# Altium PCB 6502_CPU_MainBoard_PCB_V1_2_x.PcbDoc (part 4 of 4) (continued)
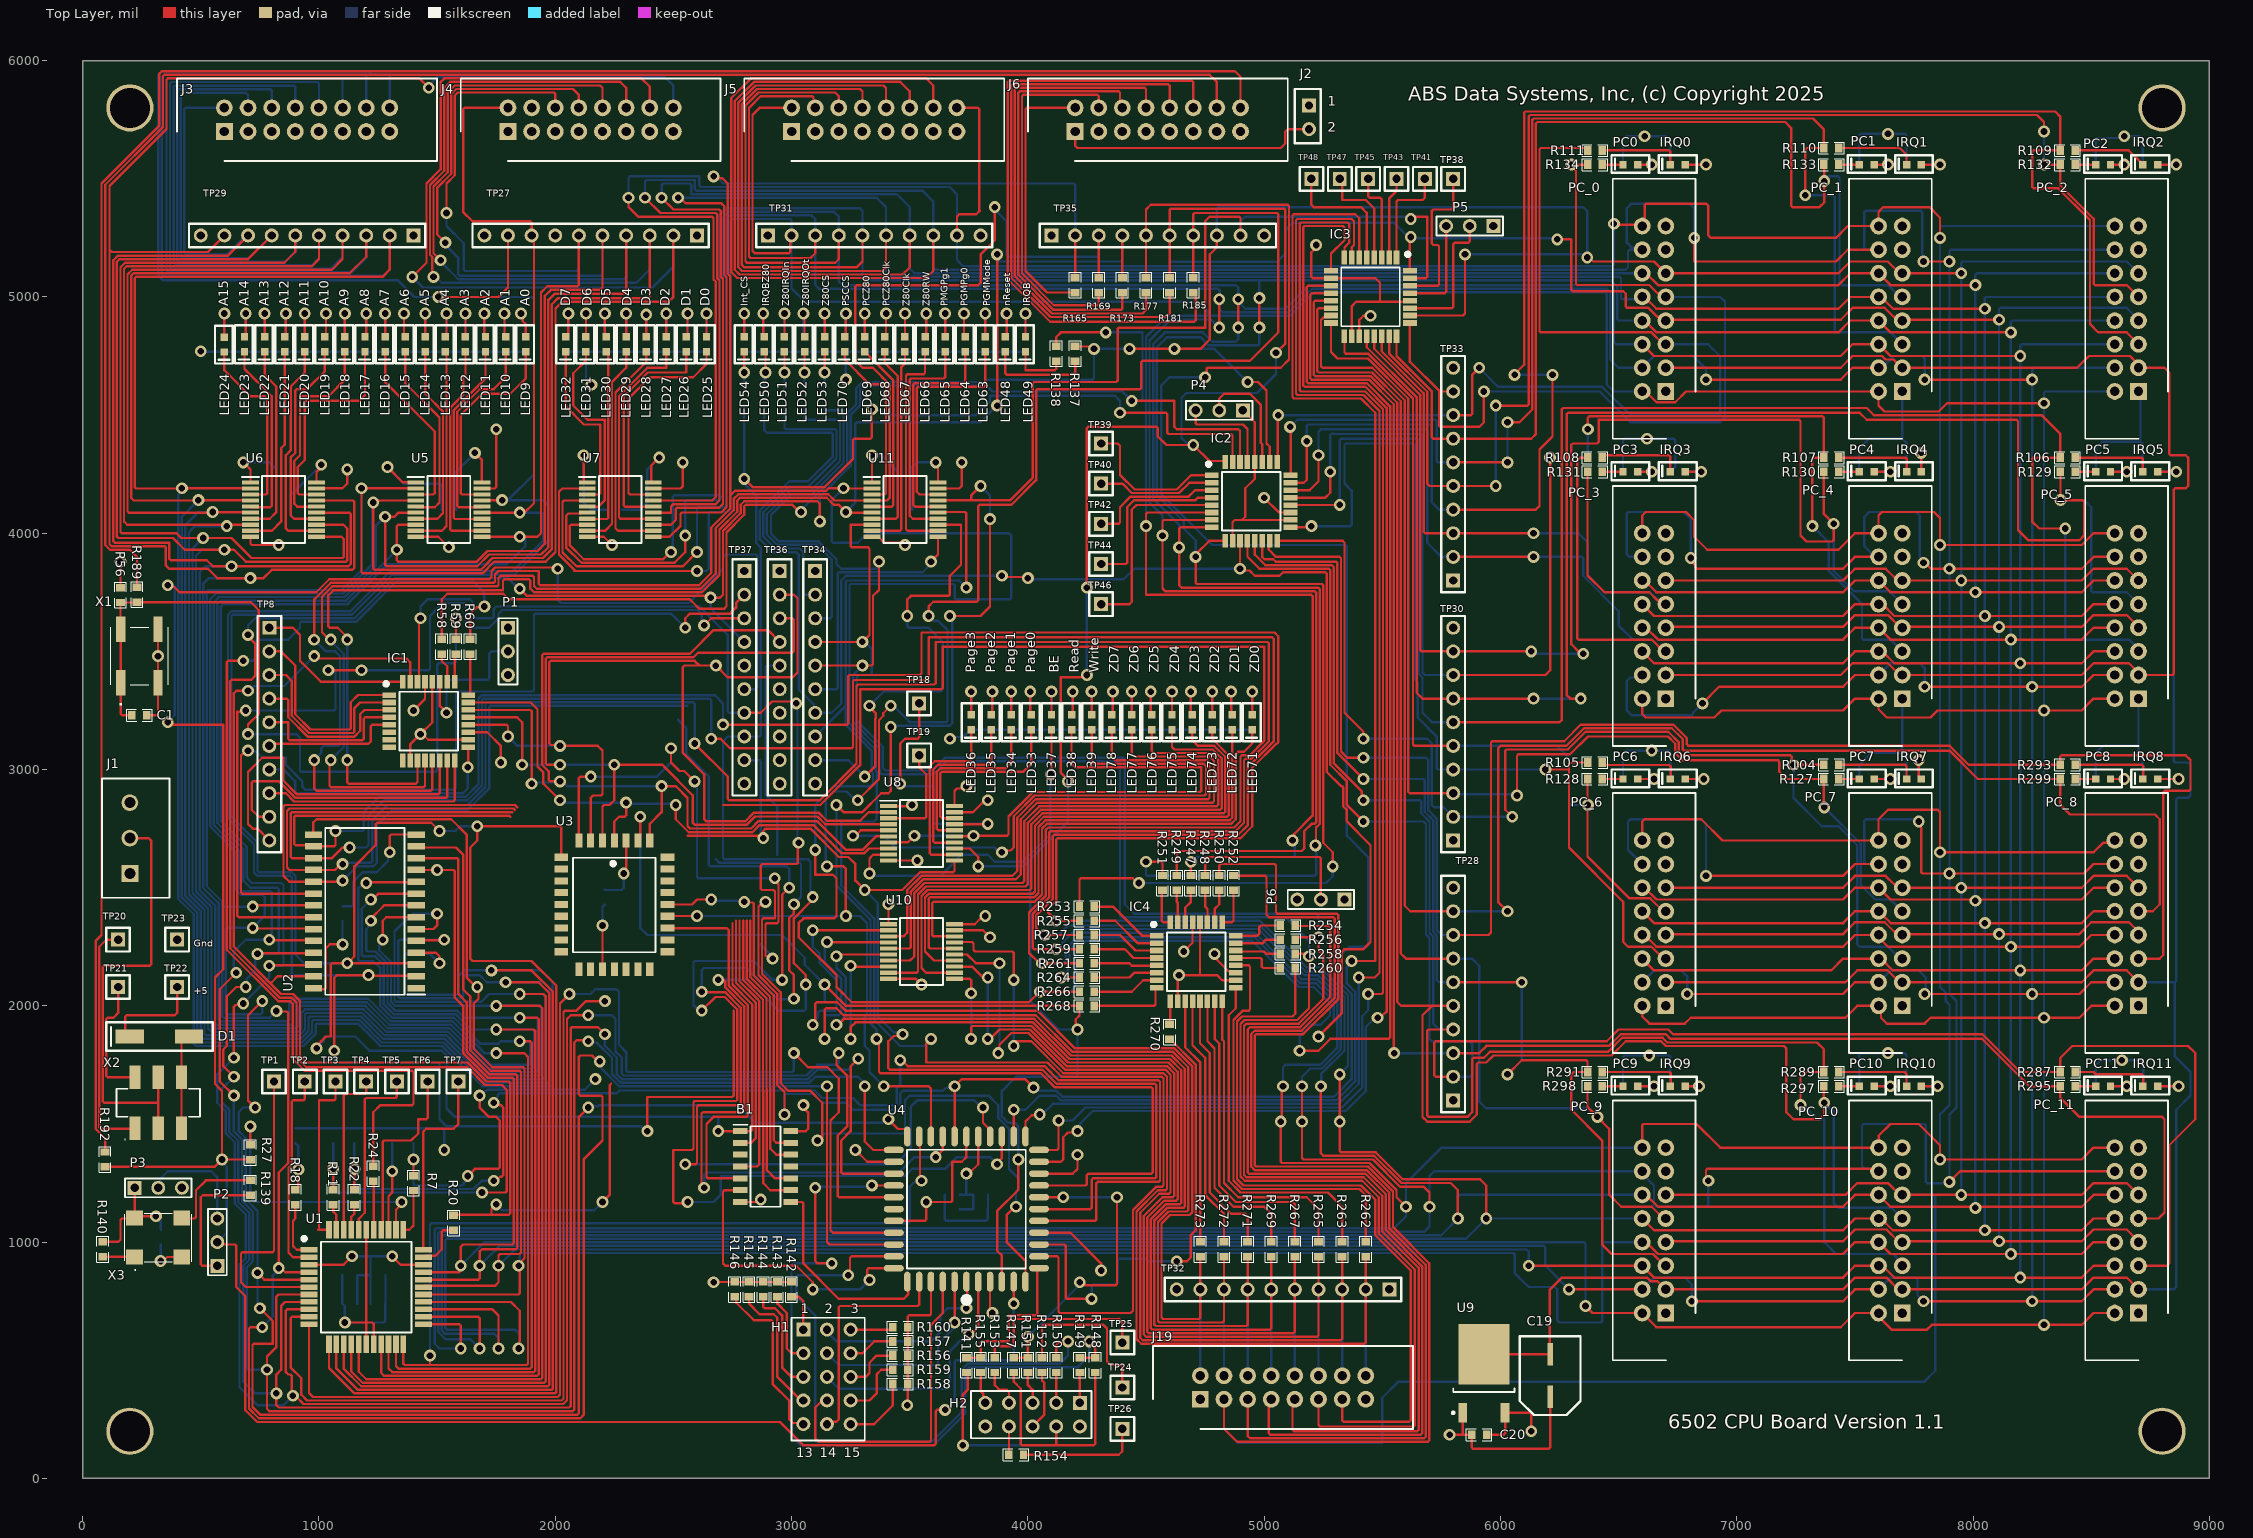
[diagram p0: Top Layer view]
## Nets (pads, with @x,y where several pads share a name; then routed paths per layer and width w, separated by ;. In a path a pad name is that pad's centre, name@x,y a point inside that pad or via, vN(x,y) a via of type N, cw(c..) or ccw(c..) an arc to the next point about the centre after c; other vN are vias at no path point) (continued)
  Bottom Layer w10: v1@1045,3040 v1@1047.5,3042.5 ; v1(1050,3040) 1105,3095 1105,3490 1050,3545 v1(1050,3550) ; v1(3860,5380) 3860,5370 3910,5320 3910,5180 3920,5170 4294.14,5170 4300,5175.86 TP35.3@4300,5260
PGM_Page_1: IC1.11 R173.1 TP35.4 U11.6 | length 6465.5
  Top Layer w10: v1(1120,3040) 1120,2945.86 1125.86,2940 1410,2940 1417.24,2947.24 IC1.11@1417.24,3038.15 ; v1(1120,3550) 1120,3560 1080,3600 1045.86,3600 1040,3605.86 1040,3737.57 1061.21,3758.79 1778.79,3758.79 1778.79,3799.14 1784.64,3805 1889.14,3805 1895,3799.14 1895,3765 1910,3750 2621.21,3750 2695,3823.79 2695,4016.21 2770,4091.21 2770,4138.79 2781.21,4150 3148.79,4150 3177.76,4121.02 3198.98,4121.02 v1(3230,4090) ; v1@3230,4087.2 U11.6@3340.24,4087.2 ; v1(3870,4540) v1(3870,5180) ; R173.1@4400,5081.5 TP35.4@4400,5260
  Bottom Layer w10: v1(1120,3040) v1(1120,3550) ; v1(3230,4090) 3270,4130 3270,4464.14 3275.86,4470 3800,4470 v1(3870,4540) ; v1(3870,5180) 3870,5160 3880,5150 4394.14,5150 4400,5155.86 TP35.4@4400,5260
POW_Reset: C1.2 R56.2 R59.2 R189.1 X1.1 X1.2 | length 3420
  Top Layer w10: C1.2@208.5,3230 167.12,3230 161.26,3235.86 X1.1@161.26,3366.81 X1.2@161.26,3593.19 160,3594.45 R56.2@160,3707.01 228.5,3707.01 R189.1@230,3708.5 711.5,3708.5 745,3675 745,3235 700,3190 v1(700,3150) ; R59.2@1580,3551.5 v1(1580,3640)
  Bottom Layer w10: v1(700,3150) 904.14,3150 920,3134.14 920,2995.86 925.86,2990 1494.14,2990 1500,2995.86 1500,3444.14 1505.86,3450 1574.14,3450 1580,3455.86 v1(1580,3640)
PSC_Cntrl_CS: IC3.31 TP35.9 U4.14 U11.17 | length 9006.9
  Top Layer w10: v1(3190,2850) 3220,2820 3300,2820 3380,2900 3410,2900 3420,2910 v1(3420,3180) ; v1(3360,1860) 3367.65,1852.35 3367.65,1836.49 3370,1834.14 3370,1720.86 3375.86,1715 4055,1715 4115,1655 4523.11,1655 4528.96,1649.14 4528.96,1295.86 4523.11,1290 4255.86,1290 4250,1284.14 4250,1245.86 4244.14,1240 U4.14@4047.2,1240 ; U11.17@3619.76,4138.39 3621.38,4140 3760,4140 ; v1(3670,3650) 3800,3650 3840,3690 v1(3840,4060) ; v1(3800,4200) 3760,4160 3760,4140 ; TP35.9@4900,5260 4900,5334.14 4894.14,5340 4770,5340 4750,5320 4750,4870 4385.86,4870 4380,4864.14 4380,4645.86 4374.14,4640 4025.86,4640 4020,4634.14 4020,4233.94 3926.06,4140 3760,4140 ; IC3.31@5616.85,5078.74 5684.14,5078.74 5690,5084.6 5690,5340 v1@5620,5340
  Bottom Layer w10: v1(3190,2850) 3190,2508.79 3334.39,2364.39 3334.39,1925.61 3360,1900 v1(3360,1860) ; v1(3420,3180) 3425,3185 3669.14,3185 3680,3195.86 3680,3624.14 3677.65,3626.49 3677.65,3642.35 v1(3670,3650) ; v1(3800,4200) 3840,4160 v1(3840,4060) ; TP35.9@4900,5260 4900,5320 4920,5340 v1@5620,5340
  other v1: 5620,5330
PSC_D0: IC3.6 U4.19 | length 6180.6
  Top Layer w10: U4.19@3940,1447.2 v1(3940,1560) ; v1(5370,2190) 5470,2190 5470,4510 5410,4570 5125.86,4570 5120,4575.86 5120,5344.14 5125.86,5350 5385.51,5350 5402.76,5332.76 IC3.6@5402.76,5166.85
  Bottom Layer w10: v1(3940,1560) 3990,1560 4050,1620 4120,1620 4140,1600 5305,1600 5385,1680 5385,2060 5350,2095 5350,2164.14 5370,2184.14 v1(5370,2190)
PSC_D1: IC3.7 U4.18 | length 5987.8
  Top Layer w10: U4.18@3990,1447.2 3990,1510 4016.72,1536.72 4046.72,1536.72 v1(4050,1540) ; IC3.7@5371.26,5166.85 5371.26,5210.89 5380,5219.63 5380,5320 5370,5330 5140.86,5330 5135,5324.14 5135,4590.86 5140.86,4585 5420,4585 5488.18,4516.82 5488.18,2140 5468.18,2120 v1(5400,2120)
  Bottom Layer w10: v1(4050,1540) 4060.39,1540 4105.39,1585 5315,1585 5400,1670 v1(5400,2120)
PSC_D2: IC3.8 U4.17 | length 5942.6
  Top Layer w10: U4.17@4047.2,1390 4124.14,1390 4130,1395.86 v1(4130,1515) ; IC3.8@5339.76,5166.85 5339.76,5209.76 5360,5230 5360,5309.14 5354.14,5315 5155.86,5315 5150,5309.14 5150,4605.86 5155.86,4600 5427.57,4600 5503.18,4524.39 5503.18,2055.86 5497.32,2050 v1(5440,2050)
  Bottom Layer w10: v1(4130,1515) 4188.64,1515 4243.64,1570 5330,1570 5415,1655 5415,1956.21 5440,1981.21 v1(5440,2050)
PSC_D3: IC3.9 U4.16 | length 5962.6
  Top Layer w10: U4.16@4047.2,1340 4140,1340 4150,1350 4150,1444.14 4170,1464.14 4204.14,1464.14 v1(4210,1470) ; IC3.9@5283.15,5110.24 5283.15,5183.15 5340,5240 5340,5294.14 5334.14,5300 5170.86,5300 5165,5294.14 5165,4625.86 5170.86,4620 5428.79,4620 5518.18,4530.61 5518.18,1975.46 5511.11,1968.39 5509.21,1968.39 5490.82,1950 v1(5480,1950)
  Bottom Layer w10: v1(4210,1470) 4217.65,1477.65 4217.65,1497.65 4275,1555 5345,1555 5430,1640 5430,1910 5470,1950 v1(5480,1950)
PSC_UPDI: IC3.27 P5.2 | length 590.1
  Top Layer w10: IC3.27@5616.85,4952.76 5795,4952.76 5800.86,4958.61 5800.86,5224.14 5806.72,5230 5864.14,5230 5870,5235.86 P5.2@5870,5300
RAM_CE#: TP37.2 U2.20 U4.20 | length 9017.1
  Top Layer w10: v1(700,3080) 690,3080 670,3060 670,2480.86 675.86,2475 U2.20@976.67,2475 ; v1(2550,3600) 2550,3640 2570,3660 2740,3660 2765.31,3685.31 2765.31,3705.31 TP37.2@2800,3740 ; v1(2560,1170) 2554.14,1164.14 2505.86,1164.14 2500,1170 2500,1390 2579.14,1390 2585,1395.86 2585,1592.07 2590,1597.07 2764.14,1597.07 2770,1602.93 2770,1985.15 2717.57,2037.57 2677.57,2037.57 v1(2620,1980) ; v1(2960,2110) 2960,2470 v1(2990,2500) ; v1(3870,1330) 3870,1335.86 3890,1355.86 U4.20@3890,1447.2
  Bottom Layer w10: v1(700,3080) 703.28,3076.72 733.28,3076.72 760,3050 860,3050 860,3020 930,2950 930,2925.86 940.86,2915 1574.14,2915 1580,2920.86 1580,3320 1590,3330 1904.14,3330 1910,3335.86 1910,3654.14 1915.86,3660 2490,3660 v1(2550,3600) ; 2520,3210 2555,3175 2555,3065 2650,2970 2650,2595.86 2655.86,2590 2980,2590 2990,2580 v1(2990,2500) ; v1(2560,1170) 2670,1170 2700,1200 2700,1280 3480,1280 3510,1310 3650,1310 3700,1360 3840,1360 v1(3870,1330) ; v1(2620,1980) 2609.18,1980 2589.18,2000 2585.86,2000 2585,2000.86 2585,2184.14 2590.86,2190 2840,2190 2920,2110 v1(2960,2110)
RAM_OE#: TP37.3 U2.22 U4.21 | length 8229.7
  Top Layer w10: v1(690,3250) 684.14,3244.14 655,3244.14 655,2380.86 660.86,2375 U2.22@976.67,2375 ; v1(1040,3420) v1(1180,3420) ; v1(2550,1330) 2594.14,1330 2600,1335.86 2600,1574.14 2605.86,1580 2779.14,1580 2785,1585.86 2785,1991.36 2718.18,2058.18 2621.82,2058.18 v1(2620,2060) ; v1(2630,3610) 2660,3640 TP37.3@2800,3640 ; v1(3010,2030) 3010,2130 2990,2150 2990,2371.21 3008.79,2390 3008.79,2428.79 v1(3010,2430) ; v1(3810,1570) 3810,1505.63 3840,1475.63 U4.21@3840,1447.2
  Bottom Layer w10: v1(690,3250) 1064.14,3250 1070,3255.86 1070,3414.14 1064.14,3420 v1(1040,3420) ; v1(1180,3420) 1464.14,3420 1470,3425.86 1470,3650 1525,3705 1614.14,3705 1620,3699.14 1620,3610 1630,3600 1720,3600 1760,3640 1760,3659.14 1775.86,3675 2603.54,3675 2619.39,3659.14 2619.39,3620.61 v1(2630,3610) ; v1(2550,1330) 3440,1330 3505,1395 3505,1574.14 3530.86,1600 3773.43,1600 3793.65,1579.78 3805.64,1579.78 3810,1584.14 v1(3810,1570) ; v1(2620,2060) 2620,2150 2630,2160 2810,2160 2942.35,2027.65 3007.65,2027.65 v1(3010,2030) ; 2680,2620 2695,2605 3034.14,2605 3040,2599.14 3040,2460 v1(3010,2430)
RDY: R1.1 R22.1 U4.11 | length 5437.3
  Top Layer w10: R22.1@1150,1221.5 v1(1150,1310) ; v1(1740,1260) 1750.82,1260 1767.39,1276.57 1772.93,1276.57 1780,1283.64 1780,1570 1770,1580 1765.86,1580 1763.51,1582.35 1747.65,1582.35 v1(1740,1590) ; v1(3460,1770) 3466.57,1770 3491.57,1745 4070,1745 4130,1685 4553.11,1685 4558.96,1679.14 4558.96,1260.86 4553.11,1255 4295.86,1255 4290,1249.14 4290,1095.86 4284.14,1090 U4.11@4047.2,1090
  Bottom Layer w10: R1.1@1150,1418.5 v1(1150,1310) 1150,1251.36 1176.36,1225 1654.5,1225 1689.5,1260 v1(1740,1260) ; v1(1740,1590) 1740,1600.82 1756.57,1617.39 1756.57,1622.93 1763.64,1630 2260,1630 2272.01,1642.01 3097.99,1642.01 3130,1610 3260,1610 3290,1580 3439.14,1580 3445,1585.86 3445,1654.14 3460,1669.14 v1(3460,1770)
ROM_CE#: R177.1 TP35.5 U3.22 U4.24 | length 9737.1
  Top Layer w10: v1@2904.14,2425.86 2865.86,2425.86 2860,2420 2860,2130 2939.11,2050.89 2939.11,1665.89 2970,1635 v1(2970,1540) ; U4.24@3690,1447.2 v1(3690,1660) 3720,1690 3988.28,1690 v1(4024.14,1654.14) ; R177.1@4500,5081.5 TP35.5@4500,5260 4500,5370 4520,5390 5099.14,5390 5105,5384.14 5105,4735 5070,4700 4760,4700 4757.65,4697.65 4757.65,4667.65 v1(4750,4660)
  Bottom Layer w10: v1(2970,1540) 2970,1621.15 2975.86,1627.01 3091.78,1627.01 3128.79,1590 3230,1590 3260,1560 3454.14,1560 3460,1565.86 3460,1630 3470,1640 3640,1640 3652.35,1652.35 3682.35,1652.35 v1(3690,1660) ; v1@4030,1640 4121.21,1640 4146.21,1615 5295,1615 5370,1690 5370,2051.21 5320,2101.21 5320,2210 5360,2250 5434.14,2250 5440,2255.86 5440,2630 5350,2720 5350,3944.14 5344.14,3950 4780,3950 4564.14,4165.86 4564.14,4624.14 4600,4660 v1(4750,4660)
  other v1: 2890,2440
ROM_OE#: R185.1 TP35.7 U3.24 U4.26 | length 7594.6
  Top Layer w10: U3.24@2475,2379 2476,2380 v1(2600,2380) ; v1(3150,2590) 3220,2590 3230,2580 v1(3230,2380) ; v1(3280,2870) 3370,2960 3370,3208.79 3388.47,3227.25 3388.47,3238.47 v1(3420,3270) ; v1(3390,1660) 3580,1660 3590,1650 U4.26@3590,1447.2 ; v1(3580,3650) 3580,3690 3600,3710 3784.14,3710 3790,3715.86 3790,4114.14 3795.86,4120 3930,4120 4035,4225 4035,4604.14 4040.86,4610 4474.14,4610 4480,4615.86 4480,4724.14 4485.86,4730 4940,4730 5060,4850 5060,5349.14 5054.14,5355 4705.86,5355 4700,5349.14 TP35.7@4700,5260 R185.1@4700,5081.5
  Bottom Layer w10: v1(2600,2380) v1(3230,2380) 3289.39,2380 3319.39,2350 3319.39,1960 3310,1950.61 3310,1830 3330,1810 3330,1720 v1(3390,1660) ; v1(3150,2590) 3145,2595 3145,2873.79 3178.11,2906.89 3233.11,2906.89 3270,2870 v1(3280,2870) ; v1(3420,3270) 3430.82,3270 3500.82,3200 3654.14,3200 3660,3205.86 3660,3590 3620,3630 3600,3630 v1(3580,3650)
RWB: IC1.31 IC2.32 IC3.32 PC_0.7 PC_1.7 PC_2.7 PC_3.7 PC_4.7 PC_5.7 PC_6.7 PC_7.7 PC_8.7 PC_9.7 PC_10.7 PC_11.7 R20.1 R181.1 R268.1 TP35.6 U2.27 U3.31 U4.4 U8.13 | length 30898.1
  Top Layer w10: v1(700,3333.6) 650.86,3333.6 640,3322.74 640,2250 840,2050 890,2050 920,2020 920,1787.43 947.43,1760 1628.79,1760 1708.79,1680 1804.14,1680 1810,1674.14 1810,1122.45 1804.14,1116.59 1730,1116.59 ; 800,2100 825,2125 U2.27@976.67,2125 ; v1(980,3480) 990,3470 1370,3470 1385.75,3454.25 IC1.31@1385.75,3371.85 ; R20.1@1570,1116.59 1730,1116.59 ; v1(1750,1160) 1730,1140 1730,1116.59 ; v1(2200,1170) 2230,1200 2230,1664.14 2235.86,1670 ; U3.31@2350,2700 2360,2710 v1(2360,2800) ; v1(3140,2090) 3230,2000 R268.1@4218.5,2000 4218.5,1959.54 4202.35,1943.39 4202.35,1907.65 v1(4210,1900) ; U8.13@3689.76,2666.02 3753.98,2666.02 3790,2630 v1(3790,2590) ; U4.4@3890,836.4 3890,943.6 3870,963.6 3870,1131.8 3960,1221.8 v1(3960,1350) ; v1(4170,2950) 4170,2955.86 4140,2985.86 4140,3390 4240,3390 v1(4250,3400) ; v1(4250,3770) 4250,4444.14 4255.86,4450 4544.14,4450 4550,4444.14 4550,4410 4586.4,4373.6 v1(4700,4373.6) 4768.15,4305.45 IC2.32@4834.76,4305.45 ; R181.1@4600,5085.1 4600,5367.74 4605.86,5373.6 5084.14,5373.6 5090,5367.74 5090,4803.6 v1(5050,4763.6) ; IC3.32@5616.85,5113.84 5616.85,5250.45 v1(5620,5253.6) ; v1(6240,5243.6) 6297.07,5243.6 6300,5240.67 6300,5029.46 6305.86,5023.6 6520,5023.6 6530,5013.6 6530,4959.46 6535.86,4953.6 6626.4,4953.6 6664.34,4915.66 6667.87,4915.66 6683.53,4900 PC_0.7@6700,4900 ; PC_9.7@6700,1003.6 7450,1003.6 7500,1053.6 7633.53,1053.6 7683.53,1003.6 v1(8110,1003.6) 8460,1003.6 8510,1053.6 8650,1053.6 PC_11.7@8700,1003.6 ; PC_6.7@6700,2303.6 7450,2303.6 7500,2353.6 7626.4,2353.6 7664.34,2315.66 7667.87,2315.66 7679.93,2303.6 v1(8110,2303.6) 8450,2303.6 8500,2353.6 8660,2353.6 8700,2313.6 PC_8.7@8700,2303.6 ; PC_3.7@6700,3603.6 7450,3603.6 7500,3653.6 7640,3653.6 7690,3603.6 v1(8110,3603.6) 8460,3603.6 8510,3653.6 8650,3653.6 PC_5.7@8700,3603.6 ; PC_0.7@6700,4903.6 7440,4903.6 7490,4953.6 7626.4,4953.6 7664.34,4915.66 7667.87,4915.66 7683.53,4900 PC_1.7@7700,4900 ; PC_1.7@7700,4903.6 v1(8110,4903.6)
  Bottom Layer w10: v1(700,3333.6) 705.86,3333.6 725.86,3353.6 853.6,3353.6 v1(980,3480) ; v1(1750,1160) 1775,1135 2165,1135 v1(2200,1170) ; v1(2360,2800) 2360,2330 2390,2300 2960,2300 3056.17,2203.83 3056.17,2173.83 v1(3140,2090) 3140,2020 ; v1(3790,2590) 3980,2590 3998.11,2608.11 ; v1(3960,1350) 3960,1490 3945,1505 3916.21,1505 3890,1531.21 3890,1640 3950,1700 4204.14,1700 4210,1705.86 v1(4210,1900) 4200,1900 4130,1900 4010,2020 4010,2602.25 4004.14,2608.11 3998.11,2608.11 ; v1(4170,2950) 4170,2780 3998.11,2608.11 ; v1(4250,3400) v1(4250,3770) ; TP35.6@4600,5263.6 4600,5154.46 4605.86,5148.6 5055,5148.6 5090,5183.6 5090,5283.6 5120,5313.6 5550,5313.6 5610,5253.6 v1(5620,5253.6) 5625,5248.6 6235,5248.6 v1(6240,5243.6) ; v1(4700,4373.6) 4692.35,4381.26 4672.35,4381.26 4650,4403.6 4650,4573.6 4670,4593.6 4970,4593.6 5050,4673.6 v1(5050,4763.6) ; PC_1.7@7690,4903.6 PC_1.7@7700,4903.6 ; v1(8110,1003.6) v1(8110,2303.6) v1(8110,3603.6) v1(8110,4903.6) 8110,4947.74 8115.86,4953.6 8650,4953.6 PC_2.7@8700,4903.6
RWB_Inverted: LED38.1 U8.7 U8.15 | length 2339.3
  Top Layer w10: U8.7@3410.24,2691.61 3491.61,2691.61 v1(3520,2720) ; U8.15@3689.76,2717.2 3767.2,2717.2 v1(3770,2720) 3912.32,2720 3918.18,2725.86 3918.18,2801.82 4021.36,2905 4728.61,2905 4734.46,2910.86 4734.46,3010 4200,3010 4185,3025 LED38.1@4185,3168.5
  Bottom Layer w10: v1(3520,2720) v1(3770,2720)
System_Clock: P2.2 R27.1 R192.1 TP37.6 U4.5 | length 11927.9
  Top Layer w10: R192.1@95,1318.5 558.5,1318.5 v1(590,1350) ; v1(360,3200) 370,3190 595,3190 595,2155 560,2120 560,1670 590,1640 v1(590,1350) ; v1(360,3780) 367.65,3772.35 387.65,3772.35 410,3750 988.79,3750 1043.79,3805 1720,3805 1730,3815 1730,3840 1745,3855 2005,3855 v1(2010,3850) ; P2.2@570,1000 579.39,990.61 599.77,990.61 600.39,990 644.14,990 650,984.14 650,810 688.79,771.21 688.79,288.79 738.79,238.79 2951.21,238.79 3050,140 3604.14,140 3610,145.86 3610,284.14 3615.86,290 v1(3650,290) ; R27.1@710,1348.5 708.5,1350 v1(590,1350) ; v1(3940,740) 3940,750 U4.5@3940,832.8
  Bottom Layer w10: v1(360,3200) 390,3230 390,3774.14 384.14,3780 v1(360,3780) ; P2.2@570,1000 609.53,1039.53 609.53,1319.65 590,1339.18 v1(590,1350) ; v1(2010,3850) 2010,3720 2025,3705 2565,3705 2710,3850 2710,3900 2720,3910 2849.14,3910 2855,3904.14 2855,3350.86 2844.14,3340 TP37.6@2800,3340 ; v1(3650,290) 3690,330 3690,494.14 3695.86,500 3934.14,500 3940,505.86 v1(3940,740)
TCK: R148.2 R149.1 U4.32 | length 3357.8
  Top Layer w10: v1(3100,1230) 3100,920 3110,910 v1(3170,910) ; v1(3340,1240) U4.32@3432.79,1240 ; R149.1@4220,511.5 R148.2@4285,511.5 4285,555 v1(4260,580)
  Bottom Layer w10: v1(3100,1230) 3105,1235 3335,1235 v1(3340,1240) ; v1(3170,910) 3010,910 3000,900 3000,180 3040,140 3600,140 3735,275 3735,453.79 3751.21,470 4210,470 4260,520 v1(4260,580)
TDI: R141.2 R155.1 U4.7 | length 671.2
  Top Layer w10: R141.2@3740,511.5 R155.1@3800,511.5 3800,574.14 3805.86,580 3914.14,580 3920,585.86 3920,690 4034.14,690 4040,695.86 4040,882.8 U4.7@4047.2,890
TDO: R150.1 U4.38 | length 2711.3
  Top Layer w10: v1(3240,860) 3247.65,867.65 3247.65,934.14 3253.51,940 U4.38@3432.79,940 ; R150.1@4120,511.5 4120,564.14 4130,574.14 4164.14,574.14 v1(4170,580)
  Bottom Layer w10: v1(3240,860) 3025.86,860 3020,854.14 3020,770 3100,690 3100,160.86 3105.86,155 3593.79,155 3720,281.21 3720,460 3745,485 4135,485 4170,520 v1(4170,580)
TMS: R147.2 R151.1 U4.13 | length 1314.2
  Top Layer w10: R147.2@3940,511.5 R151.1@4000,511.5 v1(4000,600) ; U4.13@4047.2,1190 v1(4150,1190) ; v1(4220,830) 4230.82,830 4243.4,817.42 4371.57,817.42 4377.42,823.28 v1@4377.42,1172.58
  Bottom Layer w10: v1(4000,600) 4220,820 v1(4220,830) ; v1(4150,1190) v1(4377.42,1190)
Z80_Clk: TP34.6 U11.11 | length 1119.8
  Top Layer w10: v1(3590,3880) 3619.76,3909.76 U11.11@3619.76,3984.84
  Bottom Layer w10: TP34.6@3100,3340 3189.14,3340 3195,3345.86 3195,3829.14 3200.86,3835 3555,3835 3590,3870 v1(3590,3880)
Z80_CS: J19.11 R258.2 R294.1 TP34.5 | length 8562.5
  Top Layer w10: TP34.5@3100,3440 v1(3300,3440) 3339.14,3440 3345,3445.86 3345,3735.36 3370,3760.36 v1(3370,3880) ; R258.2@5131.5,2220 5180,2220 v1(5190,2210) 5190,1990 5140,1940 4917.07,1940 4900,1922.93 4900,1277.68 4917.68,1260 5415.15,1260 5485,1190.15 5485,1036.21 5637.43,883.79 5637.43,225.86 5631.57,220 5235.86,220 5230,225.86 J19.11@5230,335
  Bottom Layer w10: R294.1@3140,4528.5 3148.5,4520 3220,4520 3220,4298.28 3086.72,4165 3001.21,4165 2913.11,4076.89 2913.11,3998.11 2945.61,3965.61 3114.39,3965.61 3190,3890 3190,3870 3210,3850 3360,3850 3370,3860 v1(3370,3880) ; v1(3300,3440) 3260,3400 3260,3201.21 3370.86,3090.36 3370.86,3001.07 3375,2996.92 3375,2985.86 3380.86,2980 3600,2980 3655,3035 4384.14,3035 4390,3029.14 4390,2380.86 4395.86,2375 5090,2375 5190,2275 v1(5190,2210)
Z80_D0: J19.2 R273.2 TP32.9 U10.2 | length 4601
  Top Layer w10: v1(3090,1920) 3100,1930 3100,2009.14 3105.86,2015 3193.79,2015 3228.79,1980 4040,1980 4200,1820 4620,1820 4695,1745 4695,1125.86 4684.14,1115 4601.07,1115 4565.61,1079.54 4565.61,680.86 4571.46,675 4724.14,675 4730,680.86 TP32.9@4730,800 R273.2@4730,938.5 ; v1(3090,2320) 3090.43,2319.57 U10.2@3410.24,2319.57
  Bottom Layer w10: v1(3090,1920) 3090,1930.82 3111.8,1952.62 3111.8,1970.58 3121.21,1980 3184.14,1980 3190,1985.86 3190,2110 3120,2180 3120,2220 3090,2250 v1(3090,2320) ; J19.2@4730,435 TP32.9@4730,800
Z80_D1: J19.4 R272.2 TP32.8 U10.4 | length 4632.3
  Top Layer w10: v1(3140,1860) 3140,1984.14 3145.86,1990 3190,1990 3220,1960 4033.64,1960 4188.64,1805 4613.79,1805 4678.96,1739.82 4678.96,1135.86 4673.11,1130 4594.85,1130 4550.61,1085.75 4550.61,665.86 4556.46,660 4824.14,660 4830,665.86 TP32.8@4830,800 R272.2@4830,938.5 ; v1@3150,2268.39 U10.4@3410.24,2268.39
  Bottom Layer w10: v1(3140,1860) 3140,1960 3200,1960 3210,1970 3210,2105 3210.86,2105.86 3210.86,2114.14 3140,2185 3140,2260 v1(3150,2270) ; J19.4@4830,435 TP32.8@4830,800
Z80_D2: J19.6 R271.2 TP32.7 U10.6 | length 4346.7
  Top Layer w10: v1(3190,1920) 3196.57,1920 3221.57,1945 4027.43,1945 4182.43,1790 4607.57,1790 4663.96,1733.61 4663.96,1150.86 4658.11,1145 4588.64,1145 4535.61,1091.97 4535.61,650.86 4541.46,645 4924.14,645 4930,650.86 TP32.7@4930,800 R271.2@4930,938.5 ; v1(3190,2210) 3197.2,2217.2 U10.6@3410.24,2217.2
  Bottom Layer w10: v1(3190,1920) 3230,1960 3230,2120 3190,2160 v1(3190,2210) ; J19.6@4930,435 TP32.7@4930,800
Z80_D3: J19.8 R269.2 TP32.6 U10.8 | length 4375.2
  Top Layer w10: v1(3250,1860) 3250,1910 3270,1930 4021.21,1930 4176.21,1775 4601.36,1775 4648.96,1727.4 4648.96,1165.86 4643.11,1160 4582.43,1160 4520.61,1098.18 4520.61,635.86 4526.46,630 5024.14,630 5030,635.86 TP32.6@5030,800 R269.2@5030,938.5 ; v1(3250,2170) 3253.98,2166.02 U10.8@3410.24,2166.02
  Bottom Layer w10: v1(3250,1860) v1(3250,2170) ; J19.8@5030,435 TP32.6@5030,800
Z80_D4: J19.10 R267.2 TP32.5 U10.11 | length 3823.1
  Top Layer w10: U10.11@3689.76,2114.84 3754.14,2114.84 3760,2108.98 v1(3760,2053.6) ; v1(3760,1860) 3760,1909.14 3765.86,1915 4015,1915 4170,1760 4595.15,1760 4633.96,1721.18 4633.96,1180.86 4628.11,1175 4576.21,1175 4505.61,1104.39 4505.61,621.16 4511.77,615 5124.14,615 5130,620.86 TP32.5@5130,800 R267.2@5130,938.5
  Bottom Layer w10: v1(3760,1860) v1(3760,2053.6) ; J19.10@5130,435 TP32.5@5130,800
Z80_D5: J19.12 R265.2 TP32.4 U10.13 | length 3928.5
  Top Layer w10: U10.13@3689.76,2166.02 3763.98,2166.02 3810,2120 v1(3830,2120) ; v1(3830,1860) 3840,1860 3880,1900 4008.79,1900 4163.79,1745 4588.93,1745 4618.96,1714.97 4618.96,1195.86 4613.11,1190 4570,1190 4490.61,1110.61 4490.61,610 4500.61,600 5224.14,600 5230,605.86 TP32.4@5230,800 R265.2@5230,938.5
  Bottom Layer w10: v1(3830,1860) v1(3830,2120) ; J19.12@5230,435 TP32.4@5230,800
Z80_D6: J19.14 R263.2 TP32.3 U10.15 | length 4203
  Top Layer w10: U10.15@3689.76,2217.2 3742.8,2217.2 3780,2180 v1(3880,2180) ; v1@3880,1800 3880,1835 3930,1885 4002.57,1885 4157.57,1730 4582.72,1730 4603.96,1708.76 4603.96,1210.86 4598.11,1205 4556.21,1205 4475.61,1124.39 4475.61,595.61 4486.21,585 5324.14,585 5330,590.86 TP32.3@5330,800 R263.2@5330,938.5
  Bottom Layer w10: v1@3880,1800 v1(3880,2180) ; J19.14@5330,435 TP32.3@5330,800
  other v1: 3875,1800
Z80_D7: J19.16 R262.2 TP32.2 U10.17 | length 4277.7
  Top Layer w10: U10.17@3689.76,2268.39 3691.38,2270 3764.14,2270 3770,2264.14 3770,2235.86 3775.86,2230 3934.14,2230 3940,2224.14 3940,2120 3939.14,2119.14 3939.14,2110.86 v1(3940,2110) ; v1@3940,1840 3950,1850 4015,1850 4150,1715 4573.96,1715 4588.96,1700 4588.96,1225.86 4583.11,1220 4550,1220 4460,1130 4460,590 4480,570 5424.14,570 5430,575.86 TP32.2@5430,800 R262.2@5430,938.5
  Bottom Layer w10: v1@3940,1840 v1(3940,2110) ; J19.16@5430,435 TP32.2@5430,800
  other v1: 3940,1830
Z80_Extra: J19.5 R252.2 | length 4552.7
  Top Layer w10: R252.2@4870,2551.5 4871.5,2550 5004.14,2550 5010,2544.14 5010,2385.86 5020.86,2375 5293.28,2375 5299.14,2369.14 5299.14,2035.5 5158.64,1895 4959.7,1895 4945.05,1880.36 4945.05,1319.64 4959.7,1305 5433.79,1305 5530,1208.79 5530,1057.43 5683.64,903.79 5683.64,175.86 5677.78,170 4940,170 4930,180 J19.5@4930,335
Z80_Extra_1: J19.13 R260.2 | length 3121.4
  Top Layer w10: R260.2@5131.5,2160 5131.5,1966.5 5120,1955 4906.21,1955 4885,1933.79 4885,1267.43 4912.43,1240 5410,1240 5470,1180 5470,1030 5620,880 5620,245.86 5614.14,240 5335.86,240 5330,245.86 J19.13@5330,335
Z80_IRQ: J19.7 R254.2 | length 3956.8
  Top Layer w10: J19.7@5030,335 5020,325 5020,190.86 5025.86,185 5662.78,185 5668.64,190.86 5668.64,897.57 5515,1051.21 5515,1202.57 5427.57,1290 4935.91,1290 4930.05,1295.86 4930.05,1899.14 4940.91,1910 5152.43,1910 5280,2037.57 5280,2330.82 5273.17,2337.65 5133.84,2337.65 R254.2@5131.5,2340
Z80_IRQ_FROM: R290.1 TP34.2 | length 1356.3
  Bottom Layer w10: R290.1@2970,4528.5 2970,4445.86 2975.86,4440 3184.14,4440 3190,4434.14 3190,4315.78 3072.11,4197.89 2989.11,4197.89 2880,4088.79 2880,3986.46 2930.86,3935.61 3034.39,3935.61 3050,3920 3050,3745.86 3055.86,3740 TP34.2@3100,3740
Z80_IRQ_TO: R292.1 TP34.3 | length 1490.4
  Bottom Layer w10: R292.1@3055,4528.5 3055,4485 3060.86,4479.14 3069.14,4479.14 3070,4480 3199.14,4480 3205,4474.14 3205,4305 3080,4180 2995,4180 2895,4080 2895,3995 2939.39,3950.61 3108.18,3950.61 3170,3888.79 3170,3645.86 3164.14,3640 TP34.3@3100,3640
Z80_RW: J19.9 R256.2 TP34.4 U11.8 | length 7859.1
  Top Layer w10: TP34.4@3100,3540 v1(3300,3540) 3330,3570 3330,3934.14 3324.14,3940 3255.86,3940 3250,3945.86 3250,4036.02 U11.8@3340.24,4036.02 ; J19.9@5130,335 5120,325 5120,205.86 5125.86,200 5647.78,200 5653.64,205.86 5653.64,891.36 5500,1045 5500,1196.36 5421.36,1275 4923.89,1275 4915,1283.89 4915,1914.14 4925.86,1925 5146.21,1925 5250,2028.79 5250,2214.14 5230,2234.14 v1(5230,2290) 5141.5,2290 R256.2@5131.5,2280
  Bottom Layer w10: v1(3300,3540) 3310,3540 3340,3510 3340,3405.86 3334.14,3400 3285,3400 3275,3390 3275,3207.43 3385.86,3096.57 3385.86,3007.28 3397.1,2996.04 3594.82,2996.04 3648.79,3050 4404.14,3050 4410,3044.14 4410,2430 4450,2390 5220,2390 5230,2380 v1(5230,2290)
Z80_UPDI: P6.2 R248.2 | length 741.6
  Top Layer w10: R248.2@4750,2551.5 4750,2624.14 4755.86,2630 5234.14,2630 5240,2624.14 P6.2@5240,2450
pads on no net: B1.3 B1.11 IC1.6 IC1.7 IC1.8 IC1.9 TP36.6 TP36.7 TP36.8 TP36.9 TP37.5

## Polygon pours and split planes (outlines as drawn)
GND on Plane(GND) (split plane): 8979.9,20.1 20.1,20.1 20.1,5979.9 8979.9,5979.9
+5 on Plane(Power) (split plane): 8979.9,20.1 20.1,20.1 20.1,5979.9 8979.9,5979.9

## Silkscreen, mask and mechanical layers (free items; w line width, h text height)
Top Overlay:
  text "ABS Data Systems, Inc, (c) Copyright 2025" at 5610,5829.99 h60
  text "A15" at 617,4960 h40 r90
  text "A14" at 702,4960 h40 r90
  text "A13" at 787,4960 h40 r90
  text "A12" at 872,4960 h40 r90
  text "A11" at 957,4960 h40 r90
  text "A10" at 1042,4960 h40 r90
  text "A9" at 1127,4960 h40 r90
  text "A8" at 1212,4960 h40 r90
  text "A7" at 1297,4960 h40 r90
  text "A6" at 1382,4960 h40 r90
  text "A5" at 1467,4960 h40 r90
  text "A4" at 1552,4960 h40 r90
  text "A3" at 1637,4960 h40 r90
  text "A2" at 1722,4960 h40 r90
  text "A1" at 1807,4960 h40 r90
  text "A0" at 1892,4960 h40 r90
  text "D7" at 2064,4960 h40 r90
  text "D6" at 2154,4960 h40 r90
  text "D5" at 2234,4960 h40 r90
  text "D4" at 2324,4960 h40 r90
  text "D3" at 2404,4960 h40 r90
  text "D2" at 2484,4960 h40 r90
  text "D1" at 2574,4960 h40 r90
  text "D0" at 2654,4960 h40 r90
  text "Int_CS" at 2815,4960 h30 r90
  text "IRQBZ80" at 2905,4960 h30 r90
  text "Z80IRQIn" at 2990,4960 h30 r90
  text "Z80IRQOt" at 3075,4960 h30 r90
  text "Z80CS" at 3160,4960 h30 r90
  text "PSCCS" at 3245,4960 h30 r90
  text "PCZ80" at 3330,4960 h30 r90
  text "PCZ80Clk" at 3415,4960 h30 r90
  text "Z80Clk" at 3500,4960 h30 r90
  text "Z80RW" at 3585,4960 h30 r90
  text "PMGPg1" at 3660,4960 h30 r90
  text "PGMPg0" at 3745,4960 h30 r90
  text "PGMMode" at 3840,4960 h30 r90
  text "nReset" at 3925,4960 h30 r90
  text "IRQB" at 4010,4960 h30 r90
  text "Page3" at 3776.67,3410 h40 r90
  text "Page2" at 3861.67,3410 h40 r90
  text "Page1" at 3946.67,3410 h40 r90
  text "Page0" at 4031.67,3410 h40 r90
  text "BE" at 4130,3410 h40 r90
  text "Read" at 4215,3410 h40 r90
  text "Write" at 4300,3410 h40 r90
  text "ZD7" at 4385,3410 h40 r90
  text "ZD6" at 4470,3410 h40 r90
  text "ZD5" at 4555,3410 h40 r90
  text "ZD4" at 4640,3410 h40 r90
  text "ZD3" at 4725,3410 h40 r90
  text "ZD2" at 4810,3410 h40 r90
  text "ZD1" at 4895,3410 h40 r90
  text "ZD0" at 4980,3410 h40 r90
  text "Gnd" at 470,2250 h30
  text "+5" at 470,2050 h30
  text "6502 CPU Board Version 1.1" at 6710,210 h60
Mechanical 1:
  lines w10: 0,0 0,6000 9000,6000 9000,0 ; 0,0 3000,0 0,0 ; 0,0 9000,0 ; 0,0 9000,0

## Text inside footprints (layer, text, board x,y; h text height)
H1: Top Overlay "15" at 3220,90 h40; Top Overlay "3" at 3250,700 h40; Top Overlay "14" at 3120,90 h40; Top Overlay "13" at 3020,90 h40; Top Overlay "1" at 3040,700 h40; Top Overlay "2" at 3140,700 h40
J2: Top Overlay "2" at 5270,5700 h40; Top Overlay "1" at 5270,5810 h40